# Altium PCB AI_PCB.PcbDoc
Units mil, origin at the board's own origin, x right, y up, seen from the top; angles counter-clockwise.
Board outline 3877.98 x 3444.91 mil, 2 copper layers (Top Layer, Bottom Layer); 72 components, 91 nets, 333 pads, 303 vias.
Unrouted connection lines stored in the file: 2.
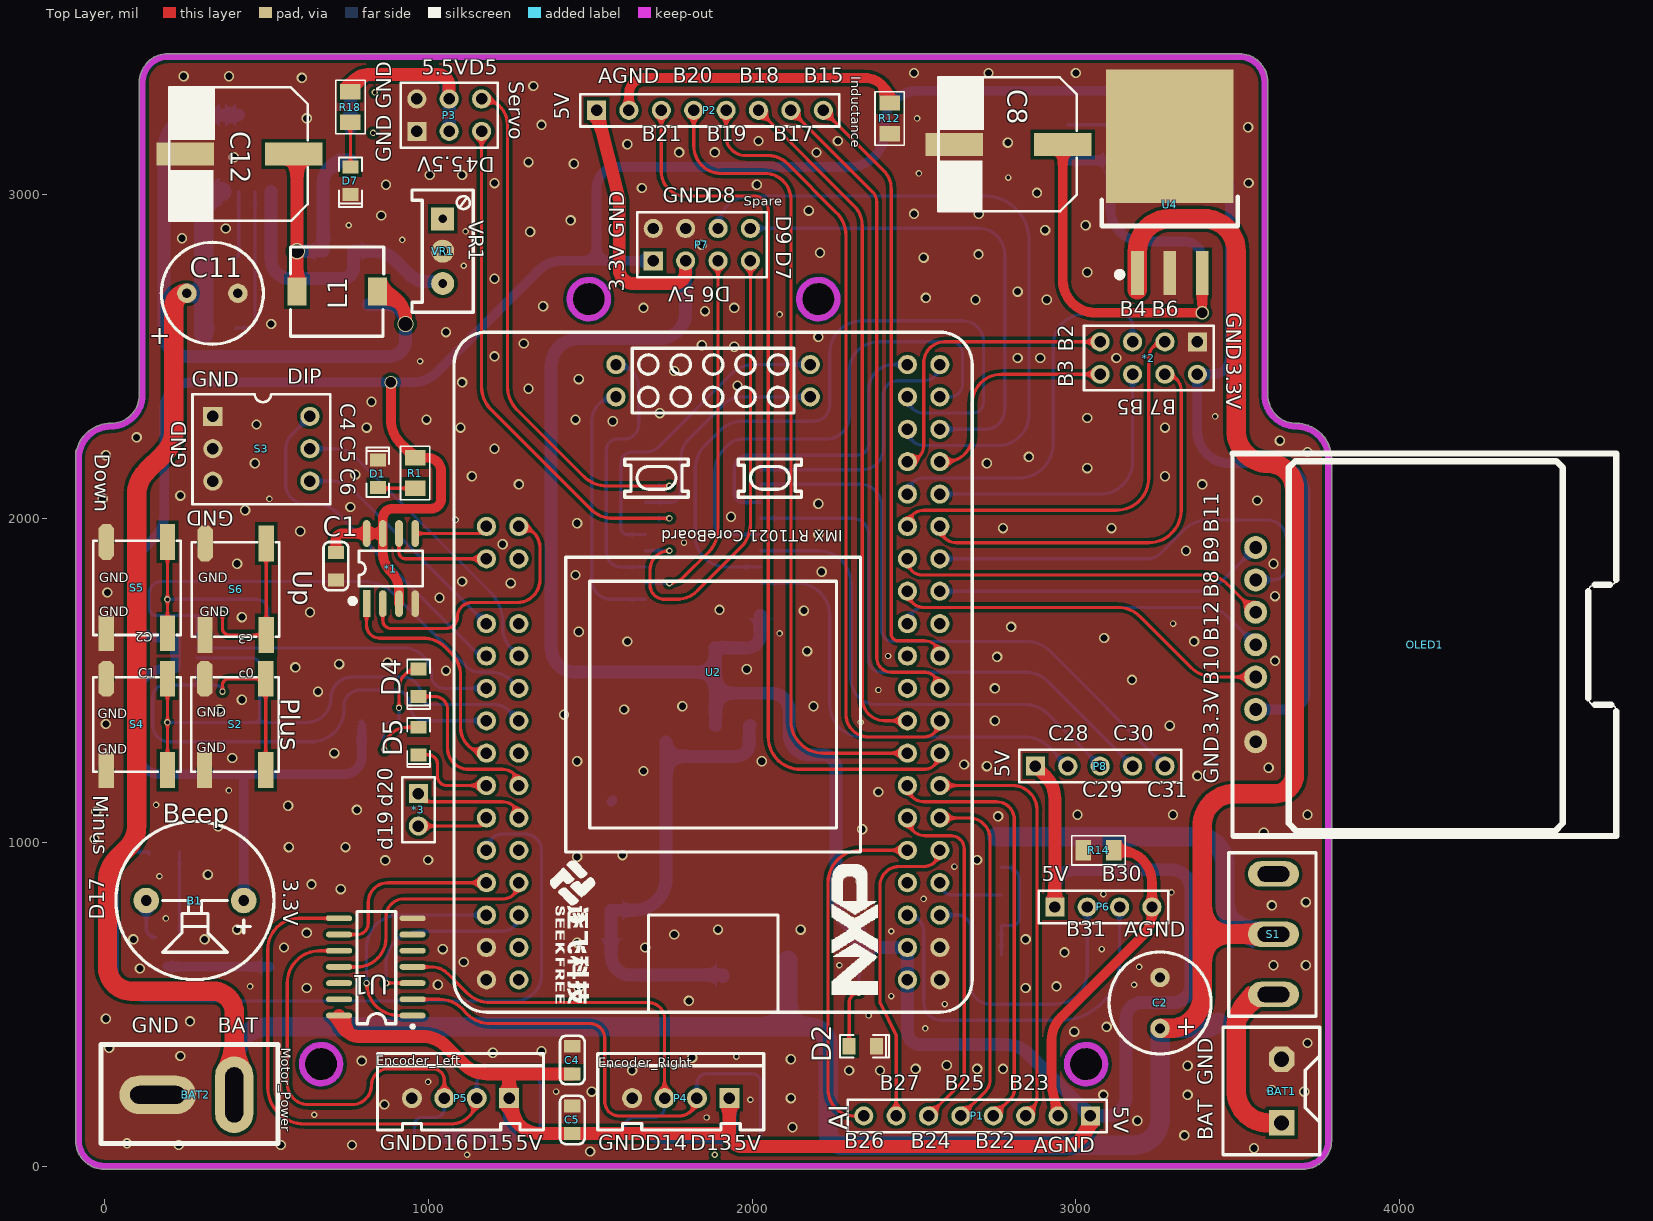
[diagram p0: Top Layer view]
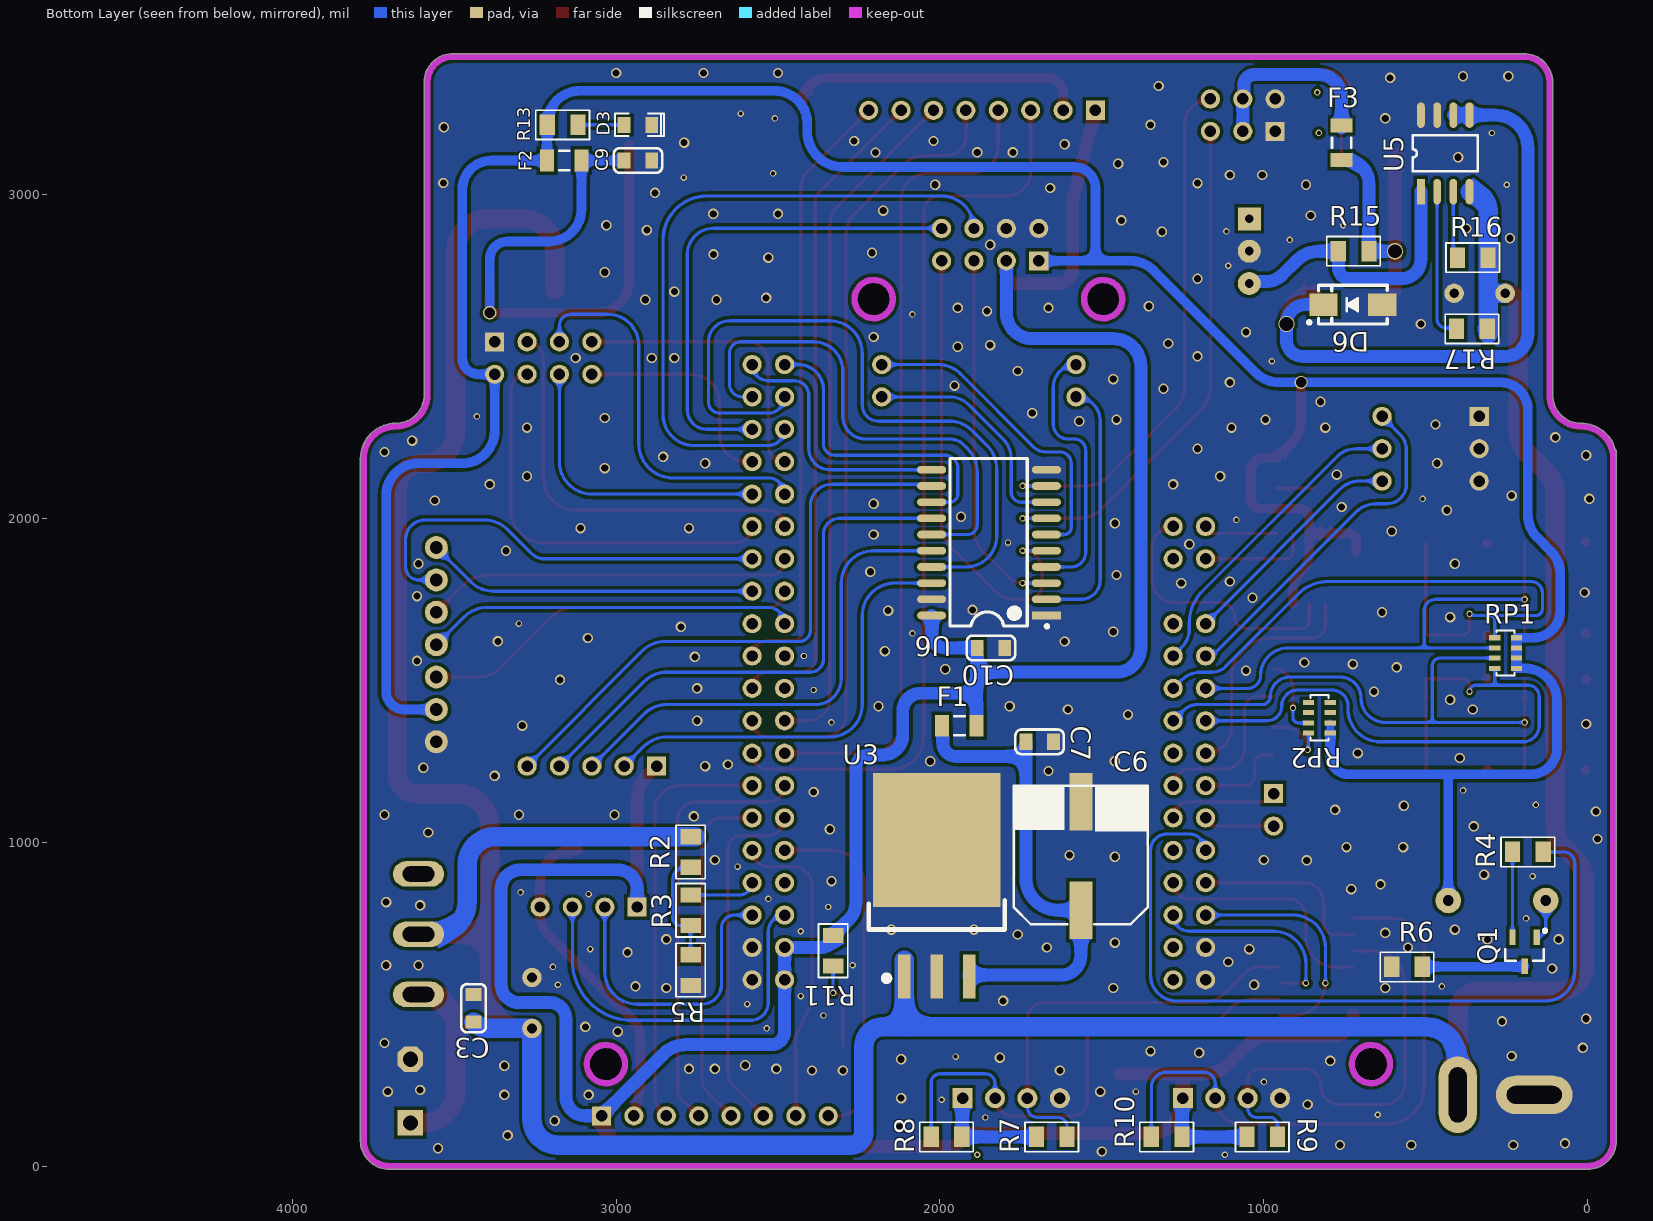
[diagram p1: Bottom Layer view, seen from below]
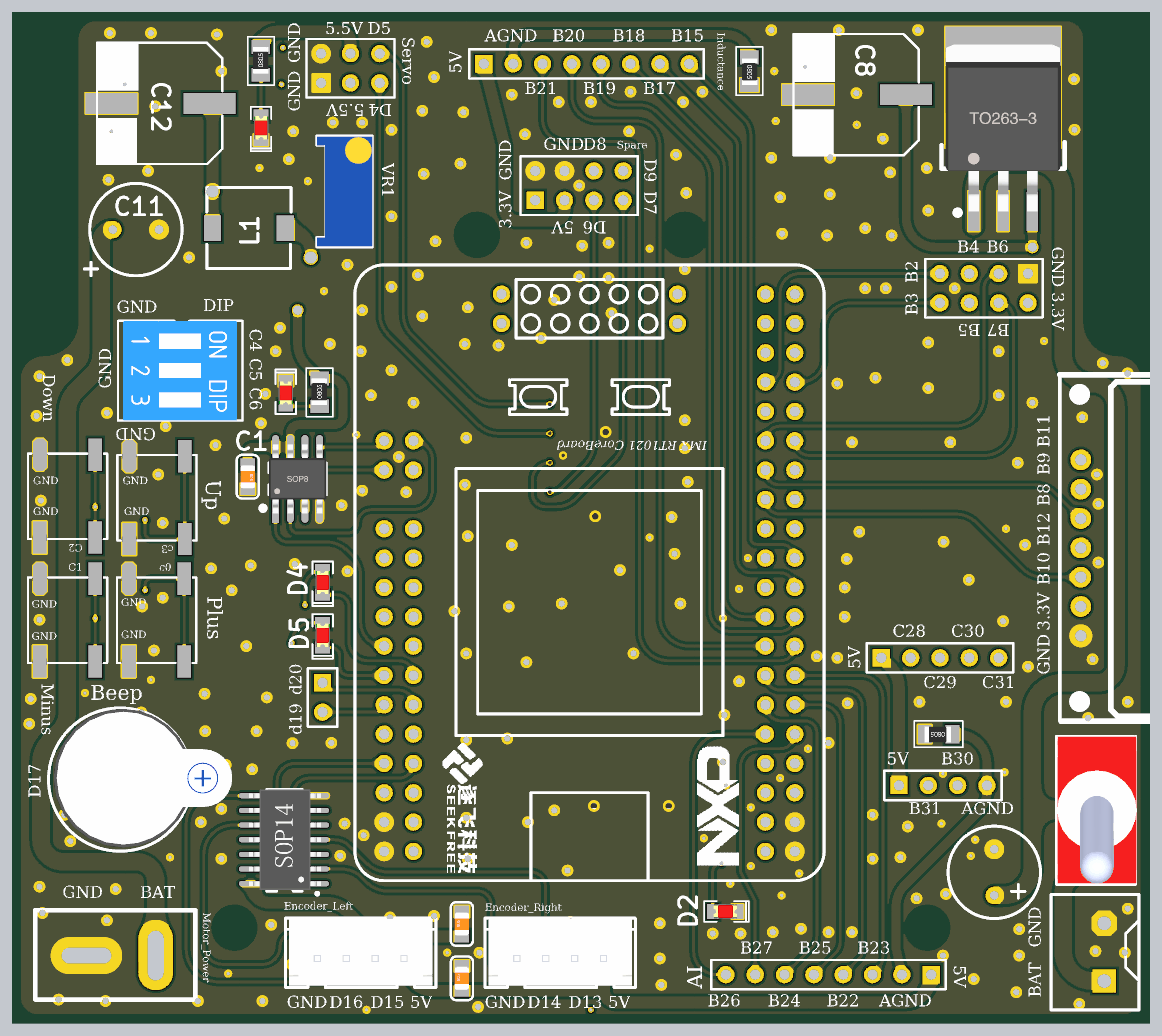
[diagram p2: 3D render of the assembled board from above, using the file's embedded part models]
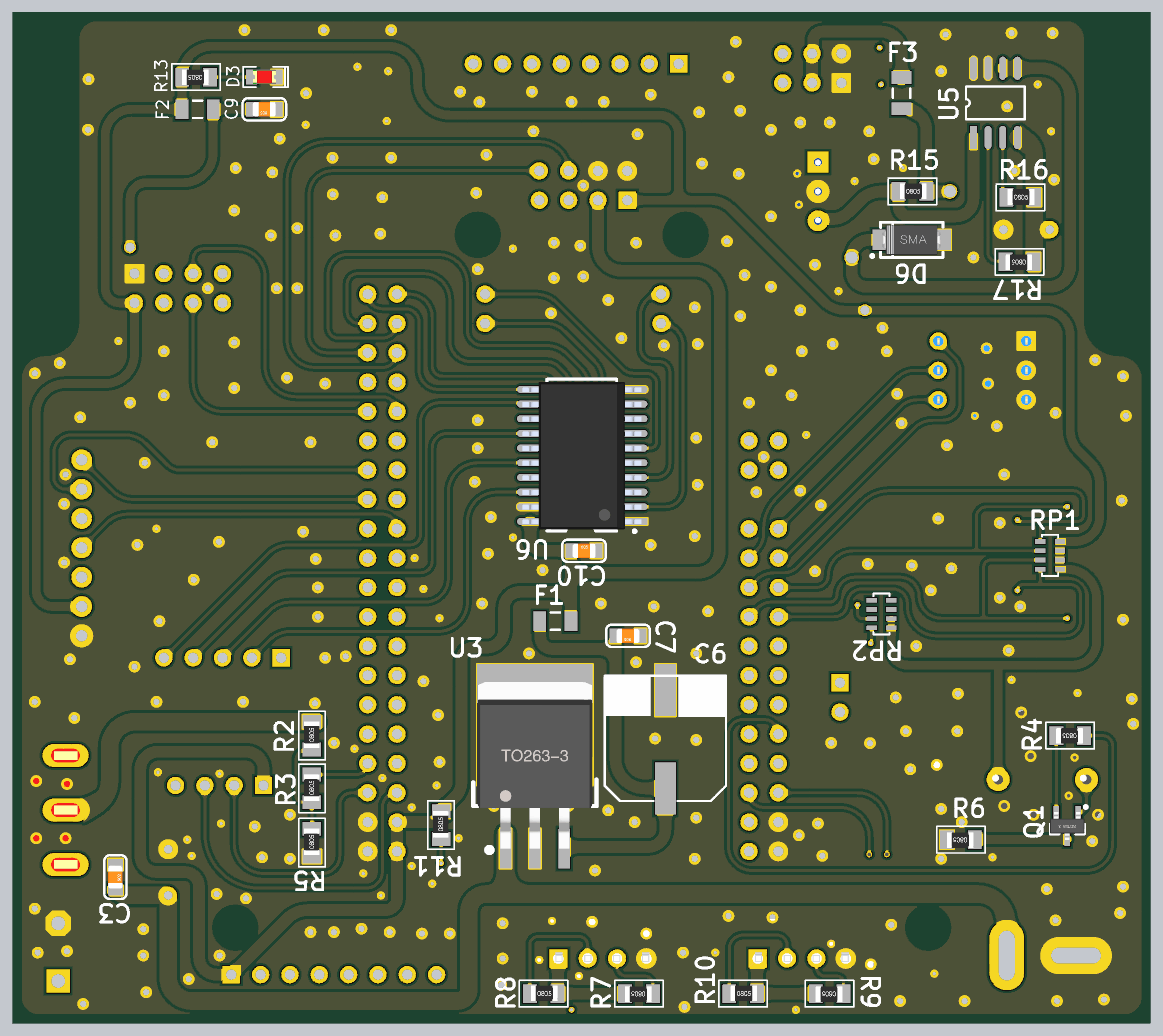
[diagram p3: 3D render of the assembled board from below, using the file's embedded part models]

## Layer stack, top to bottom
Top Solder: solder mask 0.4, Solder Resist, Dk 3.5
Top Layer: signal copper 1.4
Dielectric 1: dielectric 12.6, FR-4, Dk 4.8
Bottom Layer: signal copper 1.4
Bottom Solder: solder mask 0.4, Solder Resist, Dk 3.5

## Board outline
-88.6,78.74 ccw(c0,78.74) 0,-9.86 3700.79,-9.86 ccw(c3700.79,78.74) 3789.39,78.67 ccw(c3779.53,78.74) 3789.39,78.74 3789.39,2185.04 ccw(c3779.53,2185.04) 3789.39,2185.12 ccw(c3681.1,2185.04) 3681.1,2293.32 cw(c3681.1,2381.89) 3592.53,2381.78 ccw(c3582.68,2381.89) 3592.54,2381.89 3592.54,3346.46 ccw(c3582.68,3346.46) 3592.53,3346.57 cw(c3503.94,3346.46) 3592.53,3346.46 3592.53,3346.57 ccw(c3503.94,3346.46) 3503.94,3435.05 ccw(c3503.94,3425.2) 3503.8,3435.05 196.85,3435.05 cw(c196.85,3425.2) 196.98,3435.05 196.85,3435.05 ccw(c196.85,3346.46) 108.25,3346.55 ccw(c196.85,3346.46) 108.25,3346.46 ccw(c118.11,3346.46) 108.25,3346.46 cw(c118.11,3346.46) 108.25,3346.55 108.25,3346.46 108.25,2381.89 ccw(c118.11,2381.89) 108.25,2381.81 ccw(c19.68,2381.89) 108.25,2381.89 cw(c118.11,2381.89) 108.25,2381.89 108.25,2381.81 cw(c19.68,2381.89) 19.68,2293.32 ccw(c19.68,2185.04) -85.13,2212.23 ccw(c-78.74,2204.72) -88.6,2204.72
cut-out: 2145.67,2677.03 ccw(c2204.72,2677.03) 2204.72,2617.97 ccw(c2204.72,2677.03) 2263.78,2677.03 ccw(c2204.72,2677.03) 2204.72,2736.08 ccw(c2204.72,2677.03)
cut-out: 1437.01,2677.03 ccw(c1496.06,2677.03) 1496.06,2617.97 ccw(c1496.06,2677.03) 1555.12,2677.03 ccw(c1496.06,2677.03) 1496.06,2736.08 ccw(c1496.06,2677.03)
cut-out: 2972.44,314.96 ccw(c3031.5,314.96) 3031.5,255.91 ccw(c3031.5,314.96) 3090.55,314.96 ccw(c3031.5,314.96) 3031.5,374.02 ccw(c3031.5,314.96)
cut-out: 610.24,314.96 ccw(c669.29,314.96) 669.29,255.91 ccw(c669.29,314.96) 728.35,314.96 ccw(c669.29,314.96) 669.29,374.02 ccw(c669.29,314.96)

## Design rules (kind name [scope] priority, off if disabled: settings)
Clearance [All] p1: gap=10 ignorepadtopadclearanceinfootprint=FALSE
ComponentClearance [All] p1: gap=3.94 collisioncheckmode=3 verticalgap=3.94 showdistances=FALSE
Height [All] p1: minheight=0 maxheight=3937.01 prefheight=500
MinimumSolderMaskSliver [All] p1: minsoldermaskwidth=0
PlaneConnect [All] p1: planeconnectstyle=Direct reliefexpansion=20 reliefentries=4 reliefconductorwidth=10 reliefairgap=10
PolygonConnect PolygonConnect_2 [All] p1: connectstyle=Direct reliefconductorwidth=10 reliefentries=4 polygonreliefangle="90 Angle" airgapwidth=10
RoutingVias [All] p1: holewidth=28 width=50 viastyle="Through Hole" minholewidth=28 minwidth=50 maxholewidth=28 maxwidth=50
SilkToSilkClearance [All] p1: silktosilkclearance=0
SilkToSolderMaskClearance [IsPad] p1: minsilkscreentomaskgap=0 clearancetoexposedcopper=TRUE
SolderMaskExpansion [All] p1: expansion=4 istentingtop=FALSE
UnRoutedNet [All] p1: checkbadconnections=TRUE
Width [InNet('NetR15_1')] p1: maxlimit=40 minlimit=40 preferedwidth=40
Width 5.5V_3 [InNet('NetR13_1')] p2: maxlimit=40 minlimit=40 preferedwidth=40
Width 5.5V_2 [InNet('NetC12_1')] p3: maxlimit=40 minlimit=40 preferedwidth=40
Width 5.5V_1 [InNet('NetD6_2')] p4: maxlimit=40 minlimit=40 preferedwidth=40
Width 3.3V_1 [InNet('NetC8_1')] p5: maxlimit=30 minlimit=30 preferedwidth=30
Width 5V_1 [InNet('NetC6_1')] p6: maxlimit=40 minlimit=40 preferedwidth=40
Width BAT1 [InNet('NetBAT1_1')] p7: maxlimit=60 minlimit=50 preferedwidth=60
Width GND [InNet('GND')] p8: maxlimit=30 minlimit=30 preferedwidth=30
Width AGND [InNet('AGND')] p9: maxlimit=30 minlimit=30 preferedwidth=30
Width 3.3V [InNet('3.3V')] p10: maxlimit=30 minlimit=10 preferedwidth=30
Width 5V [InNet('5V')] p11: maxlimit=40 minlimit=40 preferedwidth=40
Width 5.5V [InNet('5.5V')] p12: maxlimit=40 minlimit=40 preferedwidth=40
Width BAT [InNet('BAT')] p13: maxlimit=60 minlimit=50 preferedwidth=60
Width OTHERS [All] p14: maxlimit=10 minlimit=10 preferedwidth=10
23 further rules are at their usual default settings.

## Components (designator, comment, footprint, x,y, rotation, side; value= is the part's Value field where it differs from the comment)
*1 "W25QXX" SOP8_M 885,1845 r90 top
*2 "NRF" HDR2X4 3375,2545 r180 top
*3 "干簧管" HDR1X2 970,1050 r180 top
B1 "Buzeer" BUZEER 280,820 r180 top
BAT1 "电池" PIN2 3635,133.15 r90 top
BAT2 "驱动" T -14.72,70 r0 top
C1 "100nF" 0805C 715,1895 r270 top
C2 "220uF" 直插电解电容 3510,333.27 r90 top
C3 "0.1uF" 0805C 3440,530 r270 bottom
C4 "0.1uF" 0805C 1445,285 r90 top
C5 "0.1uF" 0805C 1445,100 r90 top
C6 "470uF" LQ_C10X10 1565,770.32 r270 bottom
C7 "0.1uF" 0805C 1650,1310 r0 bottom
C8 "470uF" LQ_C10X10 2979.33,3155 r0 top
C9 "0.1uF" 0805C 2890,3105 r0 bottom
C10 "0.1uF" 0805C 1885,1600 r180 bottom
C11 "220uF" 直插电解电容 163.27,2445 r0 top
C12 "470uF" LQ_C10X10 604.68,3125 r0 top
D1 "LED" LED0805R 845,2095 r90 top
D2 "RED" LED0805R 2300,370 r0 top
D3 "LED" LED0805R 2975,3215 r180 bottom
D4 "LED" LED0805R 970,1535 r270 top
D5 "LED" LED0805R 970,1355 r270 top
D6 "IN5824" SMA 725,2660 r0 bottom
D7 "LED" LED0805R 760,3085 r270 top
F1 "1A" C1206 1940,1360 r180 bottom
F2 "1A" C1206 3160,3105 r0 bottom
F3 "1A" C1206 760,3160 r90 bottom
L1 "33uH" L7*7 843.03,2700 r180 top
OLED1 "OLED128X64" OLED128x64 3555,1310.09 r90 top
P1 "Inductance" HDR1X8 3045,155 r180 top
P2 "Inductance" HDR1X8 1520,3260 r0 top
P3 "Servo" HDR2X3 965,3195 r0 top
P4 "L_Encoder" 4针凹槽 1700,240 r0 top
P5 "R_Encoder" 4针凹槽 1020,240 r0 top
P6 "Header 4" HDR1X4 2935,800 r0 top
P7 "Backup_Interface" HDR2X4 1695,2795 r0 top
P8 "MOTOR" HDR1X5 2875,1235 r0 top
Q1 "J3Y" SOT23-3N 195,661.61 r0 bottom
R1 "1K" 0805-1R 960,2140 r90 top
R2 "2K" 0805-1R 2770,970 r90 bottom
R3 "2K" 0805-1R 2770,790 r90 bottom
R4 "1K" 0805-1R 185,970 r0 bottom
R5 "1K" 0805-1R 2770,605 r90 bottom
R6 "0R" 0805-1R 557.76,615 r0 bottom
R7 "10K" 0805-1R 1655,90 r0 bottom
R8 "10K" 0805-1R 1980,90 r180 bottom
R9 "10K" 0805-1R 1005,90 r0 bottom
R10 "10K" 0805-1R 1300,90 r180 bottom
R11 "3.3K" 0805-1R 2330,665 r90 bottom
R12 "0R" 0805-1R 2425,3235 r270 top
R13 "3.3K" 0805-1R 3165,3215 r0 bottom
R14 "0R" 0805-1R 3070,975 r180 top
R15 "1K" 0805-1R 722.76,2825 r180 bottom
R16 "2.7K" 0805-1R 355,2805 r180 bottom
R17 "1K" 0805-1R 357.76,2585 r0 bottom
R18 "3.3K" 0805-1R 760,3270 r90 top
RP1 "1K" 0603_4A 287,1537.01 r270 bottom
RP2 "1K" 0603_4A 795,1431.5 r90 bottom
S1 "SW-SPDT" SW-TO3 3610,716 r0 top
S2 "SW-PB" BT4SMT 310,1505 r0 top
S3 "SW DIP-3" SW-DIP6 335,2315 r270 top
S4 "SW-PB" BT4SMT 6.42,1505 r0 top
S5 "SW-PB" BT4SMT 6.42,1927.28 r0 top
S6 "SW-PB" BT4SMT 311.42,1922.28 r0 top
U1 "74HC14" SOP14 952,465 r180 top
U2 "RT1021" GAI 1942.21,424.35 r90 top
U3 "LM2940" TO263-3A 2010,830 r90 bottom
U4 "LM2937" TO263-3A 3290,3002.83 r90 top
U5 "AS1015" SOP-8L 515.22,3008.78 r90 bottom
U6 "74LS244" SOP20 1850,1900 r0 bottom
VR1 "2K" 3296W 1045,2825 r270 top

## Footprints (in the part's own frame and the unit in brackets; to place one, negate y for a bottom-side part, rotate by r counter-clockwise, add the part's x,y. Pads: shape width x height; smd on the part's side, far side on the other; paste and mask are expansions set on the pad)
4针凹槽 [mil]
  rect 62x62 hole 35.43: 1(230,-30)
  round 62 hole 35.43: 2(130,-30) 3(30,-30) 4(-70,-30)
  silkscreen extent -176,-129 336,108, body extent -164,-123 324,104, height 280
0603_4A [mm]
  rect 0.4x0.889 smd: 1(0,0) 2(-0.8,0) 3(-1.6,0) 4(-2.4,0) 5(-2.4,1.702) 6(-1.6,1.702) 7(-0.8,1.702) 8(0,1.702)
  silkscreen extent -2.98,0.15 0.58,1.55
0805-1R [mm]
  rect 1.2x1.6 smd: 1(-1.2,0) 2(1.2,0)
  silkscreen extent -2.1,-1.15 2.1,1.15, body extent -1.09,-0.65 1.21,0.7, height 0.76
0805C [mil]
  rect 40x50 smd: 1(0,0) 2(85,0)
  silkscreen extent -32,-38 117,38, body extent 3,-25 82,25, height 30
3296W [mm] "Precise Multi-Winding Adjustable Resistor"
  rect 1.8x1.8 hole 0.7: 1(-2.54,0)
  round 1.8 hole 0.7: 2(0,0) 3(2.54,0)
  silkscreen extent -4.8,-2.4 4.8,2.4, body extent -4.75,-2.4 4.75,2.4, height 11.52
BT4SMT [mm]
  rect 1.2x2.8 smd: 1(-0.01,-7.17) 2(4.79,-7.17) 2(4.79,0)
  oct 1.2x2.8 smd: 1(0,0)
  silkscreen extent -1.04,-7.3 5.82,0.1
BUZEER [mm]
  round 2 hole 0.85: 1(-3.825,0) 2(3.825,0)
  silkscreen extent -6.2,-6.2 6.2,6.2, body extent -9.71,-6.13 5.75,5.87, height 9.65
C1206 [mm] "Chip Capacitor, Body 3.2x1.6mm, IPC High Density"
  rect 1.1x1.7 smd: 1(-1.35,0) 2(1.35,0)
  silkscreen extent -0.4,-0.75 0.4,0.75, body extent -1.7,-0.9 1.7,0.9, height 1.3
GAI [mm]
  round 1.5 hole 0.9: 1(3.827,-16.2) 2(3.827,-13.66) 3(6.367,-16.2) 4(6.367,-13.66) 5(8.907,-16.2) 6(8.907,-13.66) 7(11.447,-16.2) 8(11.447,-13.66) 9(13.987,-16.2) 10(13.987,-13.66) 11(16.527,-16.2) 12(16.527,-13.66) 13(19.067,-16.2) 14(19.067,-13.66) 15(21.607,-16.2) 16(21.607,-13.66) 17(24.147,-16.2) 18(24.147,-13.66) 19(26.687,-16.2) 20(26.687,-13.66) 21(29.227,-16.2) 22(29.227,-13.66) 23(31.767,-16.2) 24(31.767,-13.66) 25(34.307,-16.2) 26(34.307,-13.66) 27(36.847,-16.2) 28(36.847,-13.66) 29(39.387,-16.2) 30(39.387,-13.66) 31(41.927,-16.2) 32(41.927,-13.66) 33(44.467,-16.2) 34(44.467,-13.66) 35(47.007,-16.2) 36(47.007,-13.66) 37(49.547,-16.2) 38(49.547,-13.66) 39(52.087,-16.2) 40(52.087,-13.66) 45(49.547,-6.04) 46(52.087,-6.04) 47(52.087,9.2) 48(49.547,9.2) 63(39.387,16.82) 64(39.387,19.36) 65(36.847,16.82) 66(36.847,19.36) 69(31.767,16.82) 70(31.767,19.36) 71(29.227,16.82) 72(29.227,19.36) 73(26.687,16.82) 74(26.687,19.36) 75(24.147,16.82) 76(24.147,19.36) 77(21.607,16.82) 78(21.607,19.36) 79(19.067,16.82) 80(19.067,19.36) 81(16.527,16.82) 82(16.527,19.36) 83(13.987,16.82) 84(13.987,19.36) 85(11.447,16.82) 86(11.447,19.36) 87(8.907,16.82) 88(8.907,19.36) 89(6.367,16.82) 90(6.367,19.36) 91(3.827,16.82) 92(3.827,19.36)
  silkscreen extent 1.29,-18.74 54.63,21.9
HDR1X2 [mm]
  rect 1.5x1.5 hole 0.9: 1(0,-2.54)
  round 1.5 hole 0.9: 2(0,0)
  silkscreen extent -1.27,-3.81 1.27,1.27
HDR1X4 [mm]
  rect 1.5x1.5 hole 0.9: 1(0,0)
  round 1.5 hole 0.9: 2(2.54,0) 3(5.08,0) 4(7.62,0)
  silkscreen extent -1.27,-1.27 8.89,1.27
HDR1X5 [mm]
  rect 1.5x1.5 hole 0.9: 1(0,0)
  round 1.5 hole 0.9: 2(2.54,0) 3(5.08,0) 4(7.62,0) 5(10.16,0)
  silkscreen extent -1.27,-1.27 11.43,1.27
HDR1X8 [mm] "Connector; Header; 8 Position"
  rect 1.5x1.5 hole 0.9: 1(0,0)
  round 1.5 hole 0.9: 2(2.54,0) 3(5.08,0) 4(7.62,0) 5(10.16,0) 6(12.7,0) 7(15.24,0) 8(17.78,0)
  silkscreen extent -1.27,-1.27 19.05,1.27
HDR2X3 [mm]
  rect 1.5x1.5 hole 0.9: 1(0,0)
  round 1.5 hole 0.9: 2(0,2.54) 3(2.54,0) 4(2.54,2.54) 5(5.08,0) 6(5.08,2.54)
  silkscreen extent -1.27,-1.27 6.35,3.81
HDR2X4 [mm]
  rect 1.5x1.5 hole 0.9: 1(0,0)
  round 1.5 hole 0.9: 2(0,2.54) 3(2.54,0) 4(2.54,2.54) 5(5.08,0) 6(5.08,2.54) 7(7.62,0) 8(7.62,2.54)
  silkscreen extent -1.27,-1.27 8.89,3.81
L7*7 [mm]
  rect 1.5x2.2 smd: 1(0,0) 2(6.3,0)
  silkscreen extent -0.5,-3.5 6.8,3.5
LED0805R [mil]
  rect 40x50 smd: 1(0,0) 2(85,0)
  silkscreen extent -29,-35 123,35, body extent 3,-24 83,25, height 43
LQ_C10X10 [mm]
  rect 4.5x1.8 smd: 1(-0.5,0) 2(-9,0)
  silkscreen extent -10.25,-5.25 0.6,5.25
OLED128x64 [mm]
  round 1.8 hole 1: 1(-0.002,0) 2(2.538,0) 3(5.078,0) 4(7.618,0) 5(10.158,0) 6(12.698,0) 7(15.238,0)
  round 1.8 on Top Overlay: ""(-5.692,0.105) ""(-5.692,-26.595) ""(20.908,0.105) ""(20.908,-26.595)
  silkscreen extent -7.39,-28.3 22.61,1.81
PIN2 [mm]
  rect 2x2 hole 1.2: 1(0,0)
  oct 2x2 hole 1.2: 2(5,0)
  silkscreen extent -2.5,-3 7.5,4.6
SMA [mm] "4.5x2.6*2.2mm（长宽高，不包括引脚）"
  rect 2.2x1.75 smd: 1(-2.3,0) 2(2.3,0)
  silkscreen extent -2.7,-1.52 3.56,1.52, body extent -2.52,-1.3 2.57,1.3, height 2.15
SOP8_M [mm] "5*6*1.8mm（长宽高）"
  rect 2.1x0.6 smd: 1(-2.75,1.905)
  oval 2.1x0.6 smd: 2(-2.75,0.635) 3(-2.75,-0.635) 4(-2.75,-1.905) 5(2.75,-1.905) 6(2.75,-0.635) 7(2.75,0.635) 8(2.75,1.905)
  silkscreen extent -2.69,-2.5 1.4,3.15, body extent -3,-2.5 3,2.5, height 1.9
SOP14 [mm] "LM339"
  oval 2.05x0.45 smd mask+0.1: 1(0,0) 2(0,-1.27) 3(0,-2.54) 4(0,-3.81) 5(0,-5.08) 6(0,-6.35) 7(0,-7.62) 8(5.766,-7.62) 9(5.766,-6.35) 10(5.766,-5.08) 11(5.766,-3.81) 12(5.766,-2.54) 13(5.766,-1.27) 14(5.766,0)
  silkscreen extent -0.12,-8.16 4.37,0.99, body extent -0.31,-8.16 5.89,0.54, height 1.61
SOP20 [mil]
  rect 90x23.62 smd: 1(-178.5,200)
  oval 90x23.62 smd: 2(-178.5,150) 3(-178.5,100) 4(-178.5,50) 5(-178.5,0) 6(-178.5,-50) 7(-178.5,-100) 8(-178.5,-150) 9(-178.5,-200) 10(-178.9,-250) 11(175.8,-250) 12(175.8,-200) 13(175.8,-150) 14(175.8,-100) 15(175.8,-50) 16(175.8,0) 17(175.8,50) 18(175.8,100) 19(175.8,150) 20(175.8,200)
  silkscreen extent -185,-285 119,238, body extent -203,-276 203,228, height 106
SOP-8L [mm]
  rect 2x0.6 smd: 1(0,-0.006)
  oval 2x0.6 smd: 2(0,-1.276) 3(0,-2.546) 4(0,-3.816) 5(6,-3.816) 6(6,-2.546) 7(6,-1.276) 8(6,-0.006)
  silkscreen extent 1.58,-4.45 4.42,0.63
SOT23-3N [mm]
  rect 0.5x1.2 smd: 1(-0.95,-1.143) 2(0.95,-1.143) 3(0,1.143)
  silkscreen extent -1.72,-1.78 1.5,0.7, body extent -1.5,-1.2 1.5,1.2, height 1.05
SW-DIP6 [mm]
  rect 1.5x1.5 hole 0.9: 1(0,0)
  round 1.5 hole 0.9: 2(2.54,0) 3(5.08,0) 4(5.08,7.62) 5(2.54,7.62) 6(0,7.62)
  silkscreen extent -1.75,-1.59 6.88,9.2, body extent -1.75,-1.17 6.87,8.73, height 7
SW-TO3 [mm]
  oval 4x2 hole 1.2 slot 2.5 at 0 deg: 1(0,-4.724) 2(0,0) 3(0,4.724)
  silkscreen extent -3.5,-6.43 3.33,6.39, body extent -3.43,-6.36 3.43,6.35, height 28.55
T [mm]
  oval 6x3 hole 1.397 slot 4.318 at 0 deg: 1(4.565,3.81)
  oval 3x6 hole 1.397 slot 4.318 at 90 deg: 2(10.565,3.81)
  silkscreen extent 0.13,0 14,7.75
TO263-3A [mm] "263，3脚晶体管"
  rect 3.45x1 smd: 1(-6.225,2.54) 2(-6.225,0) 3(-6.225,-2.54)
  rect 10.5x10 smd: 2(4.5,0)
  silkscreen extent -6.55,-5.33 -0.25,5.33, body extent -6.24,-5 8.19,5, height 4.7
直插电解电容 [mil]
  round 60 hole 30: 1(91.73,250) 2(249.21,250)
  silkscreen extent 13,93 328,407

## Part data
B1: library part Buzzer
BAT1 BAT2: library part "Header 2", "Jumper"
C1 C3 C4 C5 C7 C9 C10: library part "Cap Semi", "Capacitor (Semiconductor SIM Model)", LatestRevisionDate=29-May-2009, LatestRevisionNote="IPC-7351 Footprint Added.", PackageDescription="Chip Capacitor", PackageReference=C1206, Published=8-Jun-2000, Publisher="Altium Limited"
C2: library part "Cap Pol1", "Polarized Capacitor (Radial)", LatestRevisionDate=17-Jul-2002, LatestRevisionNote="Re-released for DXP Platform.", PackageDescription="Polarized Capacitor (Radial); 2 Leads", PackageReference=RB7.6-15, Published=8-Jun-2000, Publisher="Altium Limited"
C6 C8 C11 C12: library part "CAPACITOR POL", "Capacitor"
D1 D2 D3 D4 D5 D7: library part LED2, "Typical RED, GREEN, YELLOW, AMBER GaAs LED", LatestRevisionDate=17-Jul-2002, LatestRevisionNote="Re-released for DXP Platform.", PackageDescription="SM LED; 2 Flat Leads", PackageReference=3.2X1.6X1.1, PackageVersion=Feb-2002, Published=8-Jun-2000, Publisher="Altium Limited"
D6: library part D-MBRA140T3, "MBRA140T3"
F1 F2 F3: library part "Fuse 2", "Fuse", LatestRevisionDate=17-Jul-2002, LatestRevisionNote="Re-released for DXP Platform.", PackageDescription="Thru-Hole; 2 Leads", PackageReference=PIN-W2/E2.8, Published=8-Jun-2000, Publisher="Altium Limited"
L1: library part Inductor
P1 P2: library part "Header 8", "Header, 8-Pin", LatestRevisionDate=17-Jul-2002, LatestRevisionNote="Re-released for DXP Platform.", Publisher="Altium Limited"
P3: library part "Header 3X2", "Header, 3-Pin, Dual row", LatestRevisionDate=17-Jul-2002, LatestRevisionNote="Re-released for DXP Platform.", Publisher="Altium Limited"
P4 P5: library part COODER
P6: "Header, 4-Pin", LatestRevisionDate=17-Jul-2002, LatestRevisionNote="Re-released for DXP Platform.", Publisher="Altium Limited"
P7: library part "Header 4X2", "Header, 4-Pin, Dual row", LatestRevisionDate=17-Jul-2002, LatestRevisionNote="Re-released for DXP Platform.", Publisher="Altium Limited"
P8: library part "Header 5", "Header, 5-Pin", LatestRevisionDate=17-Jul-2002, LatestRevisionNote="Re-released for DXP Platform.", Publisher="Altium Limited"
Q1: library part NPN, "NPN Bipolar Transistor", Code_JEDEC=TO-226-AA, LatestRevisionDate=17-Jul-2002, LatestRevisionNote="Re-released for DXP Platform.", PackageDescription="TO, Flat Index; 3 In-Line, Axial Leads; Body Dia. 4.8mm; Leads 0.55 x 0.51 mm (max)", PackageReference=TO-226-AA, Published=8-Jun-2000, Publisher="Altium Limited"
R1 R2 R3 R4 R5 R6 R7 R8 R9 R10 R11 R12 R13 R14 R15 R16 R17 R18: library part Res2, "Resistor", LatestRevisionDate=17-Jul-2002, LatestRevisionNote="Re-released for DXP Platform.", PackageReference=AXIAL-0.4, Published=8-Jun-2000, Publisher="Altium Limited"
  R7 R8 R9 R10: PackageDescription="Axial Device, Thru-Hole; 2 Leads; 0.4 in Pin Spacing"
RP1 RP2: library part B型贴片阻排—8
S1: "SPDT Subminiature Toggle Switch, Right Angle Mounting, Vertical Actuation", ComponentLink1Description="Manufacturer Link", ComponentLink1URL=http://www.apem.com, DatasheetVersion=05-Dec-2000, LatestRevisionDate=17-Dec-2003, LatestRevisionNote="Schematic revised, PCB Footprint replaced.", PackageDescription="Switch; 4 Leads", PackageReference=TL36WW15050, Published=24-Mar-1999, Publisher="Altium Limited"
S2 S4 S5 S6: "Switch", LatestRevisionDate=17-Jul-2002, LatestRevisionNote="Re-released for DXP Platform.", PackageDescription="Switch; 2 Leads", PackageReference=SPST-2, Published=24-Mar-1999, Publisher="Altium Limited"
S3: "DIP Switch, 3 Position, SPST", Code_JEDEC=MO-001-AM, LatestRevisionDate=17-Jul-2002, LatestRevisionNote="Re-released for DXP Platform.", PackageReference=DIP-6, Published=24-Mar-1999, Publisher="Altium Limited"
U2: library part MIMXRT1021xAGxA_CoreBoard, "逐飞科技i.MX RT1021核心板整体原理，可直接使用"
U3 U4: library part LM2940CT-5.0
VR1: library part R-GLIDE

## Via types
v1: diameter 32, hole 22, Top Layer to Bottom Layer, 236 vias
v2: diameter 20, hole 12, Top Layer to Bottom Layer, 63 vias
v3: diameter 50, hole 42, Top Layer to Bottom Layer, 2 vias
v4: diameter 42, hole 32, Top Layer to Bottom Layer, 1 vias
v5: diameter 40, hole 32, Top Layer to Bottom Layer, 1 vias
